# KiCad board 8-Bit CPU 32k.kicad_pcb (continued)
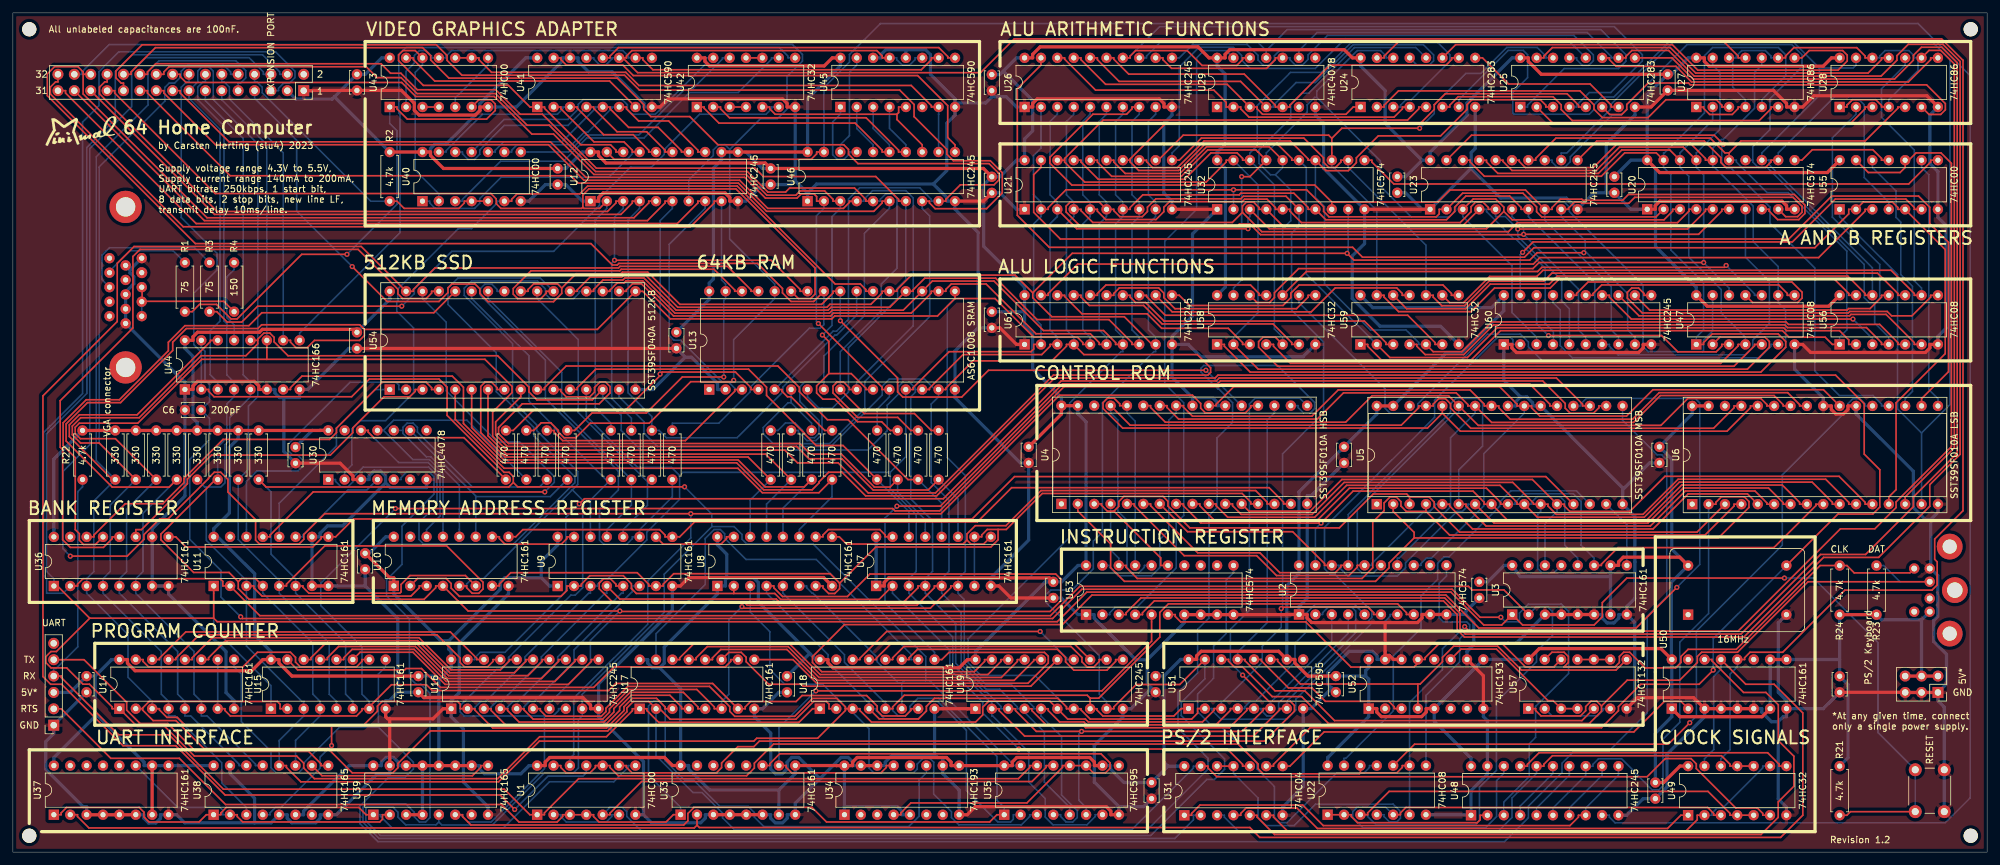
[diagram p0: board, top side]
## Routing (per net, layer and track width the routed paths; a pad name or vN(x,y) marks a point on that pad's centre or on a via; arc(x,y) is an arc through that point) (continued)
  Bottom w0.25: U2.13 218.3,44.48 218.3,44.76 219.14,45.61 219.93,45.61 228.05,53.72 228.05,61.82 234.31,68.08 U5.23
/Control Logic/ME: length 147.3
  Top w0.25: 128.17,41.71 128.17,40.86 127.42,40.11 126.48,40.11 125.59,41 125.59,41.28 U8.7 ; 128.17,41.71 133.79,47.33 151.63,47.33 152.74,48.44 152.74,50.05 ; 128.17,41.71 126.7,43.18 102.45,43.18 100.82,41.56 100.82,41.28 U9.7 98.57,41.28 98.57,41.56 96.79,43.34 77.18,43.34 75.42,41.58 75.42,41.29 74.3,41.29 ; U4.13 191.91,54.01 191.91,54.29 190.58,55.63 159.59,55.63 154.01,50.05 152.74,50.05 ; 152.74,50.05 151.06,50.05 150.2,49.19 150.2,48.91 U7.10
  Bottom w0.25: U7.10 U7.7
/Control Logic/RI: length 360.5
  Top w0.25: v1(8.9,45.91) 17.72,45.91 20.32,48.51 20.32,49.25 22.78,51.71 24.09,51.71 30.32,57.94 30.32,58.02 31.22,58.92 32.22,58.92 33.34,57.8 33.34,55.86 37.62,51.57 37.62,48.39 38.24,47.78 44.36,47.78 45.1,48.52 45.1,49.26 48.33,52.49 v1(105.1,52.49) 105.1,52.49 143.88,52.49 162.27,70.87 182.87,70.87 184.15,69.59 184.15,68.86 184.88,68.12 191.07,68.12 191.91,68.97 191.91,69.25 U4.20
  Bottom w0.25: v1(8.9,45.91) 7.75,47.05 7.75,59.03 11.92,63.2 11.92,109.13 18.41,115.63 18.41,121.04 20.6,123.23 36.62,123.23 38.83,121.02 38.83,120.65 J3.6 ; U1.12 86.36,14.55 86.94,15.13 86.94,23.87 98.43,35.35 98.43,42.06 105.1,48.73 v1(105.1,52.49)
/Control Logic/Step0: length 117
  Top w0.25: U6.12 287.16,53.97 287.16,54.25 283.13,58.28 256.12,58.28 250.68,52.84 241.36,52.84 240.52,53.69 240.52,53.97 U5.12 235.57,57.8 206.04,57.8 201.13,52.88 191.63,52.88 U4.12
  Bottom w0.25: U3.14 237.52,50.97 239.39,52.84 U5.12
/Control Logic/Step1: length 121.6
  Top w0.25: U6.11 284.62,53.97 284.62,54.25 281.04,57.83 258.17,57.83 252.73,52.39 239.27,52.39 237.98,53.69 237.98,53.97 235.73,53.97 235.73,54.15 232.53,57.35 206.4,57.35 201.44,52.39 190.43,52.39 189.09,53.73 189.09,54.01 U4.11
  Bottom w0.25: U3.13 238.93,43.34 237.03,43.34 236.39,43.98 236.39,52.38 236.86,52.84 236.86,53.97
/Control Logic/Step2: length 124.9
  Top w0.25: U6.10 282.08,53.97 282.08,54.25 278.95,57.38 258.35,57.38 252.91,51.94 236.34,51.94 U5.10 233.19,53.97 233.19,54.25 230.54,56.9 206.77,56.9 201.81,51.94 188.34,51.94 186.55,53.73 186.55,54.01 U4.10
  Bottom w0.25: U5.10 235.44,53.97 235.44,54.25 236.32,55.13 239.87,55.13 240.59,54.41 240.59,47.6 242.6,45.6 U3.12
/Control Logic/Step3: length 116.5
  Top w0.25: U4.9 184.01,54.01 184.01,53.73 186.25,51.49 202.24,51.49 207.2,56.45 228.45,56.45 230.65,54.25 230.65,53.97 231.78,53.97 ; U6.9 279.54,53.97 279.54,53.77 273.01,47.23 248.84,47.23 246.27,44.65 246.27,44.47 U3.11
  Bottom w0.25: 231.78,53.97 232.9,53.97 232.9,54.25 234.23,55.58 241.91,55.58 243.13,54.37 243.13,47.61 245.14,45.6 U3.11
/Control Logic/TI: length 174.5
  Top w0.25: 93.98,13.42 95.1,13.42 95.1,13.18 95.99,12.29 109.07,12.29 109.87,13.09 109.87,13.83 112.4,16.36 114.88,16.36 115.73,17.21 194.04,17.21 198.68,21.85 198.68,22.76 198.05,23.39 194.72,23.39 v1(190.65,27.46)
  Bottom w0.25: U4.17 199.49,70.42 192.6,70.42 191.7,69.52 191.7,37.51 188.75,34.56 188.75,29.36 v1(190.65,27.46)
/Control Logic/~{AO}: length 186.4
  Top w0.25: 159.39,107.32 159.39,106.2 158.26,105.07 158.26,99.24 162.39,95.11 275.33,95.11 281.98,101.76 295.44,101.76 297.18,100.03 297.18,97.5 300.09,94.59 300.09,74.51 295.91,70.34 U6.18
/Control Logic/~{BO}: length 100.6
  Top w0.25: 222.25,107.32 226.13,111.2 263.77,111.2 v1(265.17,109.8)
  Bottom w0.25: v1(265.17,109.8) 264.94,109.57 264.94,106.86 265.74,106.07 266.4,106.07 272.42,100.04 272.42,97.55 279.36,90.61 279.36,74.64 283.17,70.83 288.37,70.83 289.7,69.49 289.7,69.21 U6.20
/Control Logic/~{CIH}: length 216.7
  Top w0.25: U5.18 245.89,69.21 245.89,68.93 245.05,68.08 241.44,68.08 240.67,68.86 240.67,69.59 237.17,73.09 187.21,73.09 186.75,72.64 162.76,72.64 143.78,53.66 v1(137.05,53.66) ; U17.9 120.94,29.85 124.6,26.19 157.37,26.19 160.52,29.34 160.52,30.39 159.93,30.98 145.13,30.98 144.02,29.86 142.89,29.86
  Bottom w0.25: 142.89,29.86 142.89,30.99 135.19,38.69 135.19,51.8 v1(137.05,53.66)
/Control Logic/~{CIL}: length 335.6
  Bottom w0.25: 56.66,19.37 50.64,19.37 45.09,13.82 45.09,13.1 44.28,12.29 40.81,12.29 40.01,13.09 40.01,15.65 35.42,20.24 35.42,27.61 34.29,28.74 34.29,29.86 ; 56.66,19.37 62.09,13.94 62.09,12.9 60.71,11.52 58.18,11.52 53.8,7.14 53.8,4.42 56.6,1.61 231.24,1.61 234.95,5.33 234.95,7.12 240.17,12.35 240.17,13.81 241.84,15.48 247.25,15.48 253.37,21.59 253.37,36.59 256.41,39.63 256.41,60.84 255.63,61.61 254.92,61.61 249.56,66.98 U5.17 ; 56.66,19.37 56.66,27.61 57.79,28.74 57.79,29.86
/Control Logic/~{COH}: length 223.5
  Top w0.25: v1(257.97,41.06) 251.67,34.76 227.27,34.76 222.16,39.87 167.29,39.87 162.71,35.29 128.93,35.29 123.96,30.32 123.96,29.41 125.38,27.99 149.06,27.99 150.64,29.57 150.64,29.85 U19.19
  Bottom w0.25: U5.20 243.06,69.21 243.06,69.49 243.94,70.37 260.83,70.37 261.52,69.69 261.52,44.62 v1(257.97,41.06)
/Control Logic/~{COL}: length 200.9
  Top w0.25: 244.48,69.21 243.35,69.21 243.35,69.49 239.3,73.54 187.02,73.54 186.57,73.09 162.52,73.09 144.25,54.82 88.61,54.82 v1(87.81,54.02)
  Bottom w0.25: 70.49,29.86 71.61,29.86 71.61,30.15 72.45,30.99 76.29,30.99 85.73,40.42 85.73,51.93 v1(87.81,54.02)
/Control Logic/~{IC}: length 10.8
  Bottom w0.25: U5.15 250.22,50.76 U3.9
/Control Logic/~{KO}: length 101.8
  Top w0.25: U57.5 243.25,20.4 204.9,20.4 200.28,25.02 195.68,25.02 191.01,29.69 191.01,29.88 U51.13
  Bottom w0.25: U51.13 189.88,31.01 194.45,35.58 194.45,67 195.58,68.12 U4.19
/Control Logic/~{MIH}: length 126.7
  Top w0.25: U4.15 196.99,54.01 196.99,54.29 194.76,56.53 154.84,56.53 149.53,51.22 105.69,51.22 103.36,48.89 U9.9 101.11,48.89 101.11,49.18 100.27,50.02 79.07,50.02 77.96,48.91 U10.9
/Control Logic/~{MIL}: length 78.5
  Top w0.25: 147.91,48.4 147.29,47.78 129.25,47.78 128.13,48.91 U8.9 ; 147.91,48.4 147.91,49.35 149.2,50.63 153.96,50.63 159.41,56.08 192.67,56.08 194.45,54.29 194.45,54.01 U4.14 ; 147.91,48.4 148.54,47.78 150.48,47.78 U7.9
/Control Logic/~{NI}: length 224.9
  Top w0.25: U36.9 25.26,48.89 26.82,47.33 46.49,47.33 47.78,48.62 47.78,48.91 U11.9 50.04,48.91 52.8,51.67 148.71,51.67 155.29,58.25 237.66,58.25 U5.13
/Control Logic/~{PS2_DR}: length 68.7
  Top w0.25: 218.38,29.88 218.95,29.88 218.95,30.17 221.16,32.38 230.84,32.38 234.48,28.75 238.9,28.75 U57.12 ; 218.38,29.88 U52.13 ; 218.38,29.88 217.2,28.7 207.44,28.7 200.43,35.71 181.04,35.71 180.2,36.56 180.2,36.84 179.08,36.84
/Control Logic/~{RO}: length 204.2
  Top w0.25: 85.09,87.5 84.46,88.13 80.72,88.13 79.87,87.27 79.87,86.99 U54.24 ; 85.09,87.5 85.09,86.66 83.82,85.38 73.67,85.38 72.39,86.66 72.39,87.38 71.65,88.12 68.04,88.12 67.45,87.53 67.45,86.8 66.07,85.41 58.02,85.41 v1(52.6,90.82) ; 85.09,87.5 87.31,89.72 94.26,89.72 94.5,89.96 98.42,89.96 103.41,84.97 125.39,84.97 127.14,86.73 127.14,86.99 U13.24 ; v1(128.28,82.42) 137.16,73.54 137.16,71.39 137.96,70.59 147.1,70.59 151.25,74.74 v1(184.96,74.74)
  Bottom w0.25: v1(184.96,74.74) 190.45,69.25 U4.21 ; v1(128.28,82.42) 128.27,82.43 U13.24 ; J3.7 37.46,116.93 43.99,110.41 43.99,99.43 v1(52.6,90.82)
/Control Logic/~{TO}: length 269.2
  Top w0.25: U35.13 160.18,13.42 160.18,13.14 157.98,10.94 97.47,10.94 92.56,6.03 92.56,5.8 U1.5
  Bottom w0.25: U4.18 199.25,69.25 199.25,68.97 200.09,68.12 201.13,68.12 201.81,68.81 201.81,69.73 196.07,75.48 184.62,75.48 184.19,75.04 184.19,74.49 186.84,71.84 186.96,71.84 189.09,69.71 189.09,66.65 186.69,64.25 186.69,53.48 185.43,52.21 185.43,36.31 183.67,34.56 183.67,27.82 180.63,24.78 180.63,19.23 185.28,14.58 185.28,12.87 175.43,3.02 97.69,3.02 95.17,5.54 95.17,6.25 94.46,6.96 92.6,6.96 U1.5
/Control Logic/~{UART_DR}: length 92.4
  Top w0.25: v1(124.49,25.01) 168.84,25.01 176.53,32.71 U53.5 ; U33.10 119.89,13.43 119.89,13.15 120.74,12.29 134.57,12.29 135.41,13.14 135.41,13.42 U34.13
  Bottom w0.25: U33.10 118.76,19.28 v1(124.49,25.01)
/Global Signals/Y2: length 9.7
  Bottom w0.25: U48.15 238.76,12.21 233.68,7.13 U48.4
/Global Signals/Y3: length 9.7
  Bottom w0.25: U48.14 241.3,11.92 236.22,6.84 U48.5
/Global Signals/Y5: length 9.7
  Bottom w0.25: U48.12 246.38,11.92 241.3,6.84 U48.7
/Global Signals/Y6: length 74.9
  Top w0.25: U31.1 182.74,5.72 182.74,6 184.04,7.3 199.97,7.3 203.16,4.11 241.39,4.11 242.71,5.43 242.71,5.72 U48.8
  Bottom w0.25: U48.11 248.92,11.92 243.84,6.84 U48.8
/Memory/BANK0: length 66.1
  Top w0.25: U36.14 12.56,48.89 12.56,49.18 17.42,54.04 23.25,54.04 26.53,57.32 26.53,57.96 32.58,64.02 49.11,64.02 50.16,65.07 50.16,65.77 57.27,72.88 64.07,72.88 64.91,72.03 64.91,71.75 U54.4
/Memory/BANK1: length 93.7
  Top w0.25: U36.13 12.79,47.71 10.95,47.71 10.3,48.36 10.3,49.39 9.67,50.02 9.67,61.19 7.79,63.07 7.79,66.59 11.37,70.17 16.51,70.17 24.1,77.76 24.1,79.08 26.68,81.66 36.59,81.66 38.6,83.67 65.26,83.67 U54.28
/Memory/BANK2: length 111
  Top w0.25: U36.12 15.38,48.89 15.38,48.61 14.04,47.26 8.9,47.26 7.71,48.46 7.71,62.43 7.33,62.81 7.33,70.02 18.6,81.3 18.6,92.39 19.71,93.49 53.51,93.49 59.69,87.31 59.69,86.59 60.41,85.86 64.07,85.86 64.91,86.71 64.91,86.99 U54.29
/Memory/BANK3: length 55.6
  Top w0.25: U54.3 62.37,71.75 62.37,71.47 61.53,70.62 57.52,70.62 52.7,65.8 52.7,65.06 49.21,61.57 30.77,61.57 27.05,57.86 27.05,57.14 19.94,50.02 19.05,50.02 U36.11
/Memory/BANK4: length 46.3
  Bottom w0.25: U11.14 36.21,57.49 37.84,59.12 44.21,59.12 44.96,59.87 44.96,60.78 44.16,61.57 43.38,61.57 42.63,62.32 42.63,63.25 52.27,72.88 59.41,72.88 59.83,72.45 59.83,71.75 U54.2
/Memory/BANK5: length 89
  Top w0.25: U11.13 39.88,48.91 39.88,49.19 46.55,55.87 v1(82.46,55.87)
  Bottom w0.25: U54.30 63.5,85.86 67.17,82.2 67.17,71.56 75.13,63.61 78.56,63.61 83.93,58.24 83.93,57.34 v1(82.46,55.87)
/Memory/BANK6: length 31.3
  Bottom w0.25: U54.1 56.15,71.75 50.16,65.76 50.16,63 41.29,54.13 U11.12
/Memory/BANK7: length 16.5
  Bottom w0.25: U30.4 54.9,56.18 51.95,56.18 44.96,49.19 44.96,48.91 U11.11
/Memory/MAR0: length 67.9
  Top w0.25: R17.1 128.7,63.07 124.53,63.07 122.7,64.9 122.7,64.99 116.84,70.85 116.84,72.12 114.05,74.91 90.36,74.91 87.49,72.03 87.49,71.75 U54.12
  Bottom w0.25: U7.14 138.91,52.83 133.99,57.75 R17.1
/Memory/MAR1: length 108.9
  Top w0.25: U54.11 84.95,71.75 84.95,71.47 85.79,70.62 89.44,70.62 90.17,71.36 90.17,72.07 91,72.91 91.89,72.91 92.58,72.22 92.58,71.22 90.89,69.54 78.97,69.54 75.29,65.86 75.29,64.92 76.83,63.38 122,63.38 123.65,61.73 128.45,61.73 133.56,56.62 136,56.62 R18.1
  Bottom w0.25: R18.1 137.16,55.85 141.45,51.56 U7.13
/Memory/MAR2: length 78.8
  Top w0.25: R19.1 138.77,57.78 129.48,67.07 126.28,67.07 121.92,71.43 121.92,72.08 118.59,75.41 85.78,75.41 82.41,72.03 82.41,71.75 U54.10
  Bottom w0.25: U7.12 143.99,54.13 R19.1
/Memory/MAR3: length 91.6
  Top w0.25: U54.9 78.74,70.62 74.84,66.73 74.84,64.73 76.64,62.93 121.5,62.93 123.41,61.02 128.53,61.02 133.37,56.17 141.9,56.17 R20.1
  Bottom w0.25: R20.1 146.53,54.76 U7.11
/Memory/MAR4: length 69.9
  Top w0.25: R13.1 113.98,61.28 76.32,61.28 72.53,65.07 72.53,72.24 73.17,72.88 74.23,72.88 75.07,72.03 75.07,71.75 U54.8
  Bottom w0.25: R13.1 114.3,54.61 U8.14
/Memory/MAR5: length 67.4
  Top w0.25: R14.1 116.7,61.73 76.51,61.73 73.66,64.58 U54.7
  Bottom w0.25: U8.13 116.84,53.97 R14.1
/Memory/MAR6: length 73.6
  Top w0.25: U54.6 71.12,65.85 76.13,60.83 112.43,60.83 116.61,56.66 122.7,56.66 R15.1
  Bottom w0.25: R15.1 119.38,53.34 U8.12
/Memory/MAR7: length 79.6
  Top w0.25: R16.1 124.96,55.75 116.19,55.75 112.39,59.54 76.15,59.54 68.58,67.11 U54.5
  Bottom w0.25: U8.11 121.92,50.03 127,55.11 R16.1
/Memory/MAR8: length 48.6
  Bottom w0.25: R5.1 92.32,57.4 ; 92.32,57.4 83.96,65.75 83.96,65.99 80.01,69.94 80.01,76.97 71.12,85.86 U54.27 ; 92.32,57.4 89.53,54.61 U9.14
/Memory/MAR9: length 48.9
  Bottom w0.25: U54.26 73.66,85.86 85.09,74.43 85.09,68.58 R6.1 95.89,53.83 92.08,50.02 U9.13
/Memory/MAR10: length 47.6
  Bottom w0.25: 98.37,57.46 98.37,53.78 94.62,50.02 U9.12 ; 98.37,57.46 87.63,68.2 87.63,79.51 81.28,85.86 U54.23 ; 98.37,57.46 98.73,57.46 R7.1
/Memory/MAR11: length 71.8
  Bottom w0.25: R8.1 102.24,55.1 97.16,50.02 U9.11 96.03,48.89 96.03,48.61 95.18,47.77 91.57,47.77 90.94,48.39 90.94,53.25 93.87,56.17 93.87,59.09 82.55,70.4 82.55,76.3 72.49,86.36 72.49,87.42 73.18,88.12 74.23,88.12 75.07,87.27 75.07,86.99 U54.25
/Memory/MAR12: length 51.6
  Top w0.25: U30.12 55.1,65.41 55.1,65.13 55.94,64.29 69.93,64.29 R9.1
  Bottom w0.25: U30.12 55.1,65.41 55.1,65.13 59.8,60.43 64.4,60.43 66.22,58.61 66.22,52.13 64.13,50.04 U10.14
/Memory/MAR13: length 49.4
  Bottom w0.25: U10.13 66.68,58.79 64.59,60.88 62,60.88 57.46,65.41 ; U30.11 57.46,65.41 ; 57.46,65.41 59.03,66.99 70.4,66.99 R10.1
/Memory/MAR14: length 50
  Bottom w0.25: R11.1 81.62,56.63 71.25,56.63 62.72,65.16 62.72,65.88 62.06,66.54 61.12,66.54 60.46,65.88 60.46,65.41 ; 60.46,65.41 60.46,64.95 64.08,61.33 64.78,61.33 69.21,56.89 69.21,50.04 69.22,50.04 U10.12 ; 60.46,65.41 U30.10
/Memory/MAR15: length 36
  Bottom w0.25: 71.75,55.14 83.31,55.14 R12.1 ; 71.75,55.14 U10.11 ; 71.75,55.14 71.75,55.25 U30.9
/Memory/~{INH}: length 46.6
  Top w0.25: R2.2 59.55,100.96 60.66,99.85 69.15,99.85 69.99,100.69 69.99,100.97 U40.4 73.66,100.97
  Bottom w0.25: R2.2 55.48,100.96 38.64,117.8 38.64,118.67 37.83,119.47 37.46,119.47 J3.8
/PS2 Receiver/PS2_CLK: length 70.9
  Top w0.25: J4.5 294.09,43.31 285.47,43.31 284.34,44.45 R24.2 280.18,44.45 267.18,31.45 259.71,31.45 258.61,30.34 258.61,29.41 257.77,28.57 253.08,28.57 250.65,31 249.72,31 249.06,30.34 249.06,29.41 248.4,28.75 240.49,28.75 241.15,29.41 241.15,30.34 240.49,31 238.61,31 U57.13
/PS2 Receiver/PS2_DAT: length 147.1
  Top w0.25: U51.14 188.47,29.88 188.47,29.6 189.31,28.76 190.6,28.76 195.24,24.12 199.8,24.12 203.97,19.95 244.39,19.95 246.29,21.84 246.29,22.67 ; 246.29,22.67 245.55,23.41 244.67,23.41 243.84,22.58 243.84,21.93 243.03,21.13 236.91,21.13 236.07,21.97 236.07,22.25 U57.1 ; 246.29,22.67 250.28,26.67 258.41,26.67 261.15,29.41 261.15,30.34 261.8,31 267.37,31 278.31,41.94 J4.1
  Bottom w0.25: R23.2 290.05,44.45 292.56,41.94 J4.1
/UART/UART_RTS: length 189.7
  Top w0.25: J1.2 7.5,22.22 15.18,14.55 25.81,14.55 32.98,7.38 75.75,7.38 78.47,4.66 84.37,4.66 85.23,5.52 85.23,5.8 U1.3 U1.4 90.02,5.8 90.02,5.52 90.88,4.66 101.25,4.66 102.39,5.81 U33.1
  Bottom w0.25: U34.11 141.62,12.29 140.49,11.17 140.49,5.57 138.89,3.96 116.42,3.96 114.95,5.43 114.95,6.13 113.99,7.1 109.61,7.1 105.55,11.15 104.15,11.15 101.12,14.19 101.12,22.45 100.17,23.39 99.27,23.39 98.54,22.66 98.54,11.92 103.52,6.94 U33.1
/UART/UART_RX: length 197.5
  Top w0.25: J1.4 7.5,27.31 7.5,27.08 16.39,18.19 24.2,18.19 32.64,9.75 76.19,9.75 80.15,5.8 U1.1 82.4,5.8 82.4,6.08 87.71,11.39 155.9,11.39 157.64,13.14 157.64,13.42 U35.14
  Bottom w0.25: R22.2 10.8,56.66 10.07,55.94 10.07,31.86 6.69,28.48 6.33,28.48 J1.4
/UART/UART_TX: length 50.2
  Top w0.25: J1.5 11.03,29.84 17.64,23.24 17.64,22.03 19.72,19.95 24,19.95 28.33,15.62 45.85,15.62 47.77,13.7 47.77,13.42 U38.9
/VGA/H1: length 15.7
  Bottom w0.25: U45.15 130.83,122.07 129.7,120.95 129.7,111.14 128.28,109.72 U46.18
/VGA/H2: length 12.5
  Bottom w0.25: U46.17 129.69,108.59 129.69,108.31 128.85,107.47 127.81,107.47 127.09,108.18 127.09,113.26 128.28,114.45 U45.1
/VGA/H4: length 8
  Bottom w0.25: U45.2 130.83,112.25 133.36,109.72 U46.16
/VGA/H8: length 41.1
  Top w0.25: U42.1 107.17,115.58 107.17,115.37 109.46,113.08 130.57,113.08 134.77,108.88 134.77,108.59 U46.15
  Bottom w0.25: U45.3 133.37,112.25 135.9,109.72 U46.15
/VGA/H16: length 41.1
  Top w0.25: U42.2 109.71,115.58 109.71,115.3 111.1,113.91 132.28,113.91 137.31,108.88 137.31,108.59 U46.14
  Bottom w0.25: U46.14 138.44,109.72 135.91,112.25 U45.4
/VGA/H32: length 31.3
  Top w0.25: U45.5 137.32,115.58 137.32,114.71 137.06,114.45 ; 137.06,114.45 118.17,114.45 117.33,115.3 117.33,115.58 U42.5 ; 137.06,114.45 137.06,113.63 140.98,109.72 U46.13
/VGA/PIXEL_DATA: length 13
  Bottom w0.25: U44.13 34.29,81.78 33.16,82.91 33.16,89.2 34.29,90.32 R4.2
/VGA/~{HSYNC}: length 104.4
  Top w0.25: v1(60.29,84.68) 37.95,84.68 35.48,82.22 33.22,82.22 31.61,83.83 R3.2
  Bottom w0.25: U42.6 117.61,115.58 117.61,115.3 116.77,114.45 106.46,114.45 100.97,108.96 100.97,108.22 99,106.25 95.76,106.25 90.95,101.44 90.95,100.31 83.83,93.19 68.05,93.19 62.23,87.37 62.23,86.63 v1(60.29,84.68)
/VGA/~{RESTART}: length 93.9
  Top w0.25: U41.10 97.66,123.2 97.66,122.92 99.22,121.35 140.84,121.35 142.4,122.92 142.4,123.2 U45.10
  Bottom w0.25: U43.2 60.96,121.12 62.23,122.39 62.23,123.54 63.02,124.33 64.06,124.33 64.91,123.48 64.91,123.2 U43.11 67.17,123.2 67.17,123.48 68.01,124.33 94.57,124.33 95.41,123.48 95.41,123.2 U41.10
/VGA/~{VSYNC}: length 80.5
  Top w0.25: R1.2 27.8,83.83 28.92,84.96 31.57,84.96 33.82,82.7 34.76,82.7 44.78,92.72 v1(51.79,92.72) ; U43.6 72.25,116.71 74.12,116.71 74.79,116.05 74.79,115.05 73.44,113.7 61.15,113.7 59.55,115.3 59.55,115.58 U43.1
  Bottom w0.25: U43.1 58.42,113.01 59.55,111.88 59.55,100.48 v1(51.79,92.72)
CPU_CLOCK0: length 486.1
  Top w0.25: U49.5 U49.4 266.21,5.72 266.21,6.01 262.8,9.42 213.37,9.42 210.04,6.08 210.04,5.8 U22.3 ; U3.2 231.16,40.67 226.22,40.67 225.66,41.23 165.41,41.23 160.86,36.68 38.28,36.68 U11.2 32.54,41.28 32.54,41.99 32.12,42.42 10.87,42.42 10.02,41.56 10.02,41.28 U36.2
  Bottom w0.25: U22.3 210.04,5.8 210.04,5.52 211.33,4.22 226.69,4.22 227.37,4.9 227.37,10.04 230,12.67 230,23.3 236.22,29.51 236.22,31.11 238.69,33.59 238.69,37.31 237.98,38.01 236.14,38.01 U3.2 ; U36.2 7.77,40.15 5.23,40.15 5.23,42.4 4.76,42.86 4.76,65.09 5.71,66.04 5.72,66.04 10.8,71.12 10.8,113.24 13.34,115.78 13.34,121.05 16.41,124.13 40.74,124.13 43.72,121.14 43.72,120.12 42.88,119.29 41.99,119.29 41.18,118.48 41.18,118.11 J3.5
CPU_CLOCK1: length 340.8
  Top w0.25: U49.6 271.29,5.72 271.29,6.01 270.45,6.85 267.1,6.85 260.99,12.96 260.99,13.69 260.17,14.5 256.17,14.5 253.36,11.69 186.64,11.69 185.28,13.05 185.28,13.33 U31.13 ; U15.2 41.42,22.25 41.42,22.95 41,23.37 21.12,23.37 20.1,22.35 20.1,22.25 ; 20.1,22.25 20.1,22.03 21.74,20.4 25.27,20.4 29.6,16.07 48.84,16.07 52.61,12.29 58.89,12.29 59.69,13.09 59.69,13.75 64.74,18.8 92.22,18.8 95.19,21.77 95.19,22.36 96.19,23.36 98.58,23.36 U17.2 100.27,22.23 101.9,20.61 121.38,20.61 124.14,23.37 126.1,23.37 126.52,22.95 126.52,22.25 U18.2 ; 20.1,22.25 U14.2
  Bottom w0.25: U17.2 99.71,14.96 105.43,9.24 106.83,9.24 110.01,6.05 110.01,5.32 111.83,3.51 173.48,3.51 183.02,13.05 183.02,13.33 U31.13
CPU_CLOCK2: length 153.2
  Top w0.25: 111.76,40.12 96.65,40.12 95.89,40.89 95.89,41.62 94.63,42.88 89.44,42.88 88.12,41.56 88.12,41.28 U9.2 85.87,41.28 85.87,40.57 84.97,39.67 69.23,39.67 67.94,40.96 67.94,41.66 67.15,42.45 62.75,42.45 U10.2 ; 111.76,40.12 U8.2 ; 111.76,40.12 118.12,40.12 119.04,39.19 134.28,39.19 U7.2 ; v1(155.95,15.99) 188.27,15.99 190.64,13.62 190.64,13.33 U31.10
  Bottom w0.25: U7.2 136.37,40.16 145.26,31.27 145.26,28.33 150.36,23.24 150.36,21.58 v1(155.95,15.99)
CPU_PULSE: length 324.6
  Top w0.25: 293.37,107.32 293.37,106.76 ; 293.37,106.76 293.37,106.2 292.58,105.42 287.65,105.42 285.75,107.32 ; 293.37,106.76 295.06,108.45 298.93,108.45 300.54,106.84 300.54,62.9 291.96,54.32 291.96,53.44 288.66,50.15 283.34,50.15 267.48,34.29 225.76,34.29 v1(225.08,34.98) ; U22.12 208.91,12.29 ; 208.91,12.29 208.76,12.14 193.85,12.14 193.04,12.95 193.04,13.67 189.95,16.76 117.93,16.76 114.95,13.79 114.95,13.04 113.75,11.84 93.85,11.84 92.56,13.14 92.56,13.42 U1.10 90.31,13.42 90.31,13.14 89.47,12.29 85.78,12.29 84.94,13.14 84.94,13.42 U1.13 ; 208.91,12.29 214.56,12.29 215.4,13.14 215.4,13.42 U22.9
  Bottom w0.25: U22.6 U22.9 216.53,23.21 221.63,28.31 221.63,31.53 v1(225.08,34.98)
PIXEL_CLOCK: length 401.3
  Top w0.25: U44.7 43.04,71.76 43.04,72.05 44.82,73.83 68.12,73.83 69.85,72.11 69.85,66.48 75.95,60.38 112.21,60.38 116.39,56.2 123.91,56.2 124.99,57.28 124.99,57.44 126.47,58.92 128.54,58.92 132.2,55.27 143.22,55.27 161.5,73.54 186.38,73.54 186.83,73.99 282.57,73.99 287.02,69.54 287.02,61.74 289.44,59.32 289.44,53.53 288.34,52.43 282.94,52.43 X1.8 ; U31.9 195.44,13.33 195.44,13.62 201.12,19.3 246.29,19.3 248.92,21.93 248.92,22.58 252.37,26.03 261.42,26.03 v1(263.61,28.23)
  Bottom w0.25: X1.8 263.61,33.1 v1(263.61,28.23)
RAM_A0: length 151.4
  Top w0.25: v1(124.87,81.99) 134.76,72.1 134.76,71.75 U13.12 ; U46.2 124.61,100.97 124.61,101.68 124.19,102.1 122.22,102.1 121.57,101.45 116.67,101.45 113.45,104.67 88.83,104.67 83.32,110.18 33.5,110.18 25.94,117.74 25.94,118.11 J3.17
  Bottom w0.25: R17.2 133.99,68.72 135.89,70.63 U13.12 ; v1(124.87,81.99) 124.57,82.29 124.57,98.69 125.74,99.85 U46.2
RAM_A1: length 167.6
  Top w0.25: 126.5,74.22 126.5,79.2 v1(125.5,80.21) ; 126.5,74.22 129.97,74.22 132.22,71.97 132.22,71.75 U13.11 ; 126.5,74.22 124.6,72.33 124.6,71.22 125.57,70.25 127.43,70.25 130.93,66.76 134.68,66.76 136.03,65.41 R18.2 ; U46.3 127.15,100.97 127.15,101.26 125.85,102.56 122.04,102.56 121.39,101.9 116.89,101.9 113.68,105.12 90.07,105.12 83.81,111.38 80.46,111.38 74.63,117.21 62.45,117.21 60.28,119.38 26.84,119.38 25.94,120.28 25.94,120.65 J3.18
  Bottom w0.25: U46.3 128.28,99.85 127,98.57 127,81.71 v1(125.5,80.21)
RAM_A2: length 181.6
  Top w0.25: U13.10 129.68,71.75 129.68,72.04 128.84,72.88 127.74,72.88 127.14,72.28 127.14,71.23 130.94,67.43 137.18,67.43 139.21,65.41 R19.2 ; J3.19 23.4,118.11 23.4,117.74 31.41,109.73 83.02,109.73 88.54,104.22 112.67,104.22 117.03,99.85 128.76,99.85 129.69,100.78 129.69,100.97 U46.4
  Bottom w0.25: U46.4 131.94,100.97 131.94,101.26 133.28,102.6 138.44,102.6 139.58,101.46 139.58,81.65 130.81,72.88 U13.10
RAM_A3: length 177
  Top w0.25: J3.20 23.4,120.65 23.4,121.02 24.21,121.83 54.77,121.83 56.46,120.13 60.18,120.13 62.66,117.66 74.81,117.66 79.72,112.76 83.15,112.76 90.34,105.57 113.86,105.57 117.04,102.39 119.8,102.39 120.43,103.01 130.47,103.01 132.23,101.26 132.23,100.97 U46.5 ; U13.9 132,68.03 139.76,68.03 142.38,65.41 R20.2
  Bottom w0.25: U46.5 134.48,100.97 134.48,101.26 135.32,102.1 136.39,102.1 137.07,101.43 137.07,90.57 134.62,88.12 134.62,83.97 128.27,77.62 U13.9
RAM_A4: length 180.3
  Top w0.25: U46.6 134.77,100.97 134.77,100.69 133.48,99.4 116.84,99.4 112.48,103.77 87.65,103.77 86.49,104.92 33.68,104.92 20.86,117.74 20.86,118.11 J3.21
  Bottom w0.25: 125.73,72.95 122.8,72.95 122.01,72.17 122.01,69.9 124.98,66.93 124.98,64.96 124.29,64.28 123.31,64.28 122.43,65.16 122.43,65.41 121.27,66.58 119.77,66.58 118.6,65.41 R13.2 ; 125.73,72.95 125.73,76.93 132.01,83.2 132.01,95.96 135.9,99.85 U46.6 ; 125.73,72.95 U13.8
RAM_A5: length 181.2
  Top w0.25: U46.7 137.31,100.97 137.31,101.26 133.77,104.79 116.35,104.79 115.06,106.09 90.45,106.09 82.09,114.45 78.65,114.45 74.85,118.25 62.7,118.25 60.14,120.81 58.55,120.81 57.07,122.29 22.13,122.29 20.86,121.02 20.86,120.65 J3.22
  Bottom w0.25: U46.7 138.44,88.8 137.16,87.53 137.16,85.87 129.54,78.25 129.54,71.37 127.02,68.84 125.43,68.84 ; U13.7 123.19,70.63 124.98,68.84 125.43,68.84 ; 125.43,68.84 125.43,64.78 124.48,63.83 123.11,63.83 121.78,65.17 121.78,65.41 R14.2
RAM_A6: length 240.3
  Top w0.25: J3.23 17.15,119.29 16.78,119.29 15.97,120.09 15.97,121.17 20.03,125.23 65.65,125.23 67.31,123.57 67.31,122.81 69.62,120.51 94.83,120.51 97.13,118.2 137.48,118.2 139.72,115.97 139.72,114.08 144.78,109.01 144.78,108.27 145.81,107.24 151.53,107.24 153.39,105.38 153.39,102.24 150.96,99.81 142.98,99.81 142.1,100.69 142.1,100.97 U46.8
  Bottom w0.25: U46.8 140.98,99.85 142.13,98.69 142.13,83.07 132.08,73.02 132.08,68.83 126.61,63.36 117.87,63.36 116.33,64.9 116.33,65.86 120.18,69.71 120.65,69.71 ; 120.65,69.71 U13.6 ; 120.65,69.71 123.83,66.53 R15.2
RAM_A7: length 220.9
  Top w0.25: R16.2 125.87,65.41 120.65,70.63 120.08,70.63 119.24,71.47 119.24,71.75 U13.5 ; U46.9 144.64,100.97 144.64,101.26 146.89,103.5 152.11,103.5 152.9,104.29 152.9,105.24 151.34,106.79 131.02,106.79 129.55,108.27 129.55,108.99 128.82,109.72 109.31,109.72 104.94,114.09 98.91,114.09 97.81,115.2 97.81,115.95 93.7,120.06 67.59,120.06 64.77,122.88 64.77,123.53 63.52,124.78 22.08,124.78 18.32,121.02 18.32,120.65 J3.24
  Bottom w0.25: U46.9 142.39,100.97 142.39,101.26 140.59,103.05 131.28,103.05 129.55,101.31 129.55,82.65 127.7,80.81 127.16,80.81 U13.5
RAM_A8: length 175.5
  Top w0.25: 88.36,100.02 88.53,99.85 90.95,99.85 U12.2 ; 88.36,100.02 88.19,99.85 75.66,99.85 74.93,100.59 74.93,101.32 74.09,102.16 31.37,102.16 15.78,117.74 15.78,118.11 J3.25 ; 88.36,100.02 88.36,101.94 89.29,102.86 112.11,102.86 124.36,90.61 124.36,86.56 123.66,85.87 121.78,85.87 U13.27
  Bottom w0.25: R5.2 92.71,66.53 90.29,68.95 90.29,98.06 92.08,99.85 U12.2
RAM_A9: length 163
  Top w0.25: U12.3 93.49,100.97 93.49,100.69 92.18,99.38 31.67,99.38 13.43,117.62 13.43,118.67 14.24,119.47 14.61,119.47 J3.26 ; U13.26 122.06,86.99 122.06,87.28 117.53,91.81 v1(93.27,91.81)
  Bottom w0.25: U12.3 94.62,99.85 93.27,98.5 v1(93.27,91.81) 92.83,91.37 92.83,70.36 95.89,67.31 R6.2
RAM_A10: length 176.1
  Top w0.25: J3.27 31.26,98.92 94.26,98.92 96.03,100.69 96.03,100.97 U12.4
  Bottom w0.25: U13.23 130.81,83.28 127.73,80.2 127.45,80.2 119.38,72.13 119.38,71.38 112.28,64.28 101.31,64.28 100.19,65.41 R7.2 99.06,67.56 95.37,71.25 95.37,98.06 97.16,99.85 U12.4
